# Altium PCB ГРЛМ.687253.024.PcbDoc (part 2 of 2) (continued)
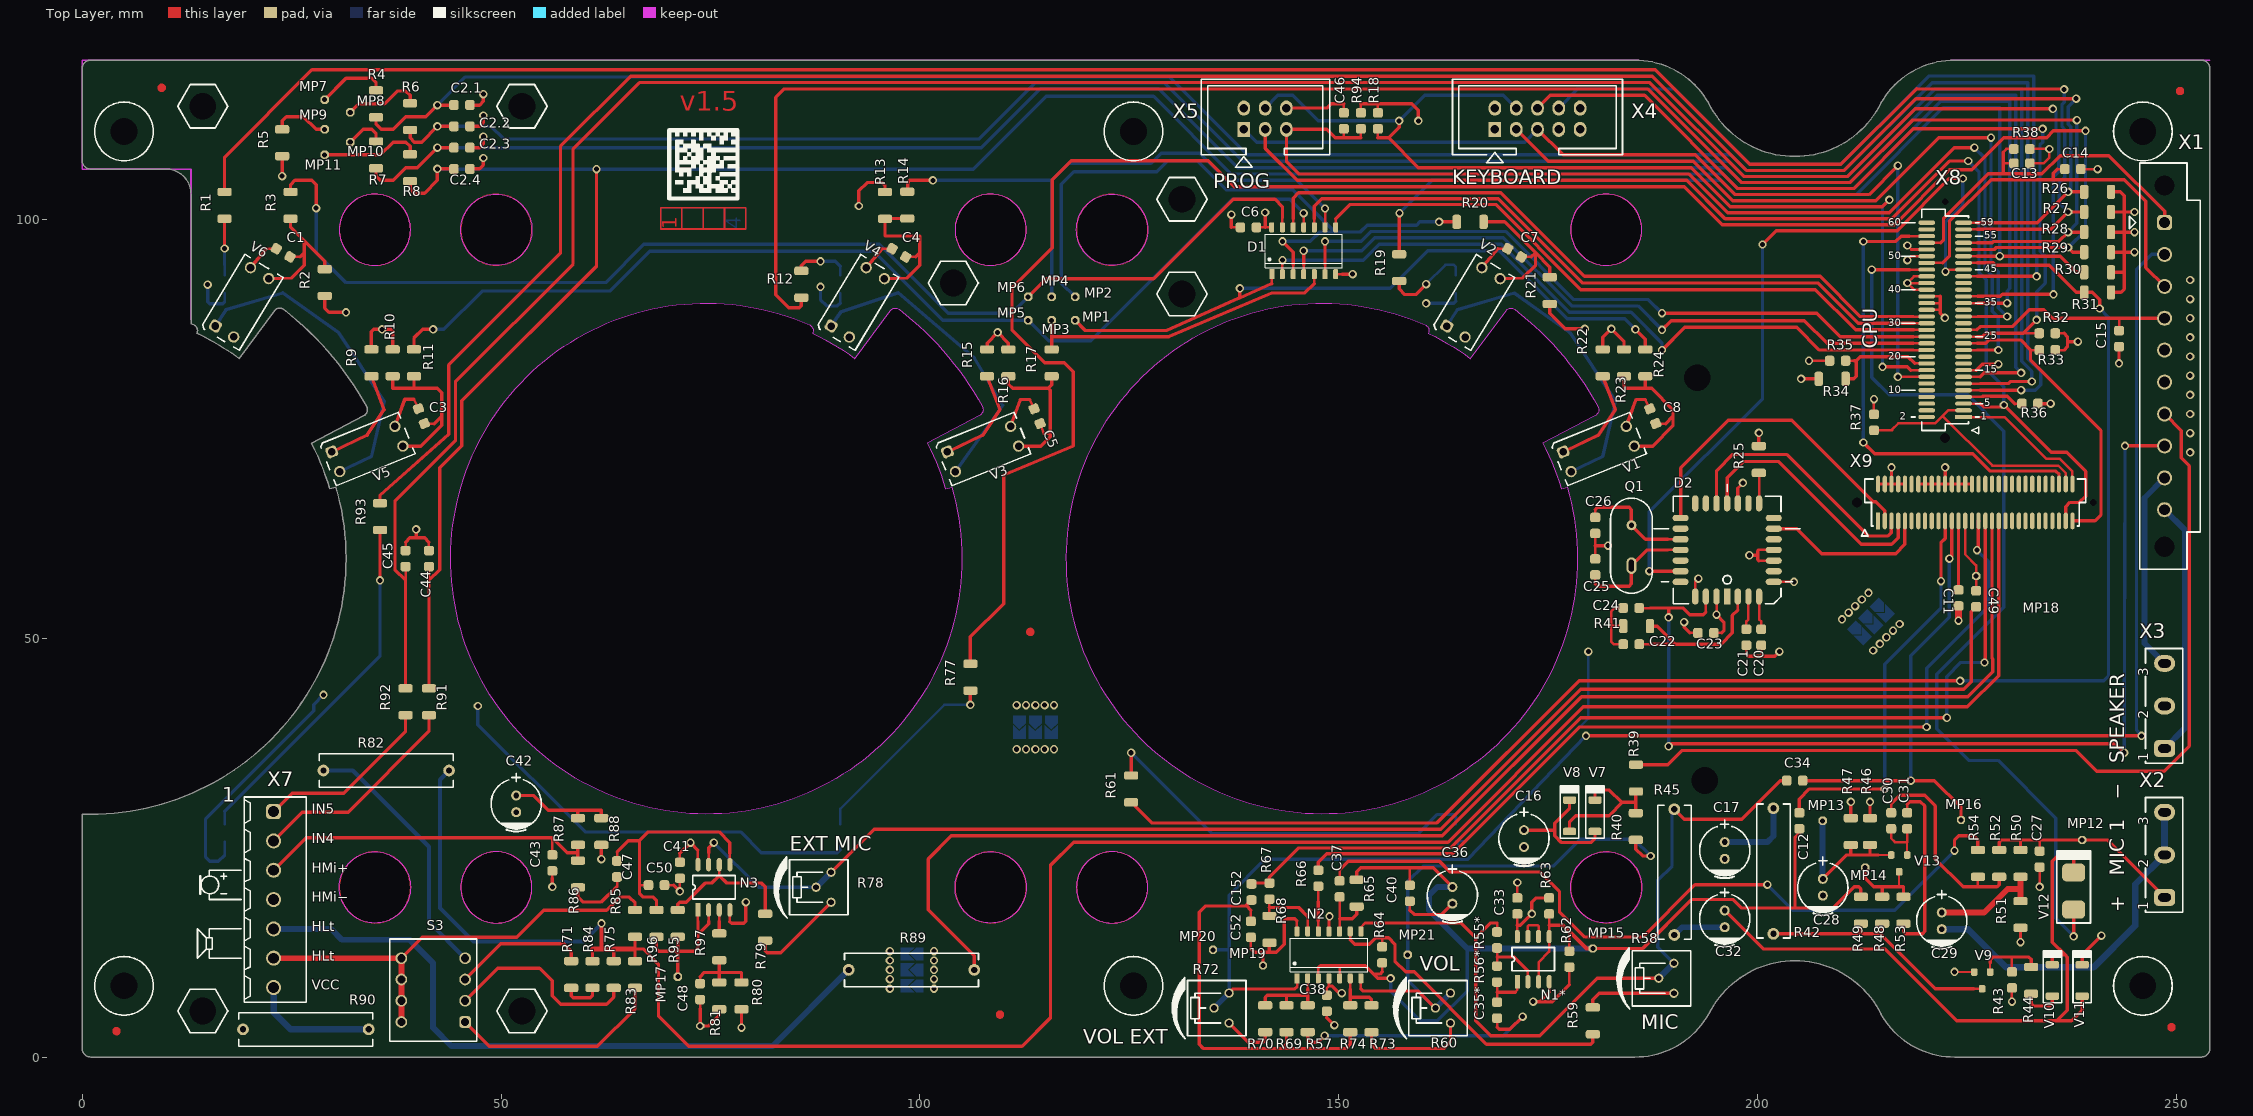
[diagram p0: Top Layer view]
## Nets (pads, with @x,y where several pads share a name; then routed paths per layer and width w, separated by ;. In a path a pad name is that pad's centre, name@x,y a point inside that pad or via, vN(x,y) a via of type N, cw(c..) or ccw(c..) an arc to the next point about the centre after c; other vN are vias at no path point) (continued)
NetMP20_1: MP20.1 N2.1 R72.2 R72.3 X1.2 | length 202.6
  Top Layer w0.3: 145.034,8.382 N2.1@145.034,9.392
  Top Layer w0.4: R72.3@136.92,7.634 R72.3@136.928,7.634 137.422,8.128 144.78,8.128 145.034,8.382 ; v1(179.52,38.341) v1(245.84,38.341)
  Bottom Layer w0.4: MP20.1@135,12.8 136.928,12.8 ; R72.3@136.928,7.634 136.928,12.8 ; v1(179.52,38.341) 165.4,23.6 141.202,23.6 136.928,19.326 136.928,12.8 ; v1(245.84,38.341) 245.24,39.04 245.24,87.655 245.24,94 247.055,95.815 X1.2@248.6,95.815
  Bottom Layer w0.7: R72.2@135.128,5.842 R72.3@136.92,7.634
NetMP21_1: MP21.1 N2.7 R40.1 R60.2 R60.3 | length 65.3
  Top Layer w0.3: 152.654,8.128 N2.7@152.654,9.392
  Top Layer w0.4: 152.654,8.128 152.908,7.874 159.512,7.874 R60.2@161.544,5.842 ; R40.1@185.48,25.92 185.48,24.8 186.28,24 v1(187.24,24)
  Bottom Layer w0.4: R60.2@161.552,5.842 R60.2@161.544,5.842 158.242,9.144 MP21.1@158.242,12.192 158.242,20.963 160.079,22.8 175.624,22.8 178.83,26.006 185.234,26.006 v1(187.24,24)
  Bottom Layer w0.7: R60.2@161.552,5.842 R60.3@163.344,7.634
NetN1*_2: N1*.2 R55*.2 R56*.1 | length 7.8
  Top Layer w0.3: R56*.1@168.91,10.861 168.91,11.938 R55*.2@168.91,13.015 ; N1*.2@172.593,8.984 172.593,10.287
  Top Layer w0.4: 168.91,11.938 170.942,11.938 172.593,10.287
NetN1*_6: N1*.6 N1*.7 | length 3.8
  Top Layer w0.3: N1*.7@172.593,14.384 172.593,15.621 172.72,15.748 173.736,15.748 173.863,15.621 N1*.6@173.863,14.384
NetN2_2: N2.2 R57.2 R69.2 R70.1 | length 10.5
  Top Layer w0.3: 146.304,8.128 N2.2@146.304,9.392
  Top Layer w0.4: R70.1@141.224,6.172 141.224,7.112 141.478,7.366 143.764,7.366 ; R69.2@143.764,6.172 143.764,7.366 ; R57.2@146.304,6.172 146.304,7.366 ; 146.304,8.128 146.304,7.366 ; 143.764,7.366 146.304,7.366
NetN2_6: N2.6 R73.1 R74.2 | length 6.6
  Top Layer w0.3: 151.384,8.128 N2.6@151.384,9.392
  Top Layer w0.4: R74.2@151.384,6.172 151.384,7.15 ; 151.384,8.128 151.384,7.15 ; R73.1@153.924,6.172 153.924,6.858 153.632,7.15 151.384,7.15
NetN2_9: N2.9 R59.1 R64.2 | length 39.1
  Top Layer w0.3: 151.384,13.97 N2.9@151.384,14.992 ; R64.2@155.194,13.147 155.194,14.224
  Top Layer w0.4: 151.384,13.97 151.892,13.462 153.67,13.462 154.432,14.224 155.194,14.224 155.956,14.224 156.718,13.462 156.718,11.43 157.988,10.16 159.004,10.16 167.64,1.524 180.086,1.524 180.34,1.778 R59.1@180.34,2.718
NetN2_12: N2.12 R66.2 | length 5.4
  Top Layer w0.3: N2.12@147.574,14.992 147.574,16.256 ; 147.574,18.542 R66.2@147.574,20.381
  Top Layer w0.4: 147.574,16.256 147.574,18.542
NetN2_13: N2.13 R67.2 R68.1 | length 8.8
  Top Layer w0.3: R68.1@141.732,16.84 141.732,17.849 R67.2@141.732,18.857 ; N2.13@146.304,14.992 146.304,16.764
  Top Layer w0.4: 141.732,17.849 145.22,17.849 146.304,16.764
NetN3_3: N3.3 R97.2 | length 2.8
  Top Layer w0.3: 76.055,16.202 N3.3@76.055,17.566
  Top Layer w0.4: R97.2@76.055,14.754 76.055,16.202
NetN3_6: N3.6 R79.1 R95.2 | length 17.6
  Top Layer w0.3: 76.055,21.663 N3.6@76.055,22.966
  Top Layer w0.4: R95.2@71.102,17.548 71.102,18.234 71.356,18.488 72.118,18.488 74.404,20.774 75.166,20.774 76.055,21.663 76.944,20.774 81.08,20.774 81.534,20.32 R79.1@81.534,17.094
NetR9_1: R9.1 V5.1 | length 12.6
  Top Layer w0.4: V5.1@29.799,72.243 34.02,74.237 36.052,77.285 R9.1@34.528,81.273
NetR15_1: R15.1 V3.1 | length 12.6
  Top Layer w0.4: V3.1@103.299,72.238 107.52,74.232 109.552,77.28 R15.1@108.028,81.268
NetR22_1: R22.1 V1.1 | length 12.6
  Top Layer w0.4: V1.1@176.8,72.238 181.02,74.232 183.052,77.28 R22.1@181.528,81.268
NetR36_2: R36.2 X8.7 | length 7.4
  Top Layer w0.3: X8.7@224.6,78.8 226.79,78.8 226.89,78.9 ; 230.722,78 R36.2@231.565,78
  Top Layer w0.4: 226.89,78.9 229.822,78.9 230.722,78
NetR39_1: R39.1 R40.2 V7.2 V8.1 | length 17.5
  Top Layer w0.4: V8.1@177.56,26.925 177.56,28.08 178.28,28.8 182.28,28.8 183.88,30.4 ; V7.2@180.6,30.675 180.6,31.6 180.87,31.871 182.33,31.871 183.8,30.4 183.88,30.4 ; R40.2@185.48,29.12 185.48,30.4 ; R39.1@185.5,31.7 185.48,31.68 185.48,30.4 ; 183.88,30.4 185.48,30.4
NetR39_2: R39.2 X1.7 | length 109.9
  Top Layer w0.4: R39.2@185.5,34.9 189.3,34.9 191,36.6 238,36.6 240.5,34.1 248.534,34.1 251.56,37.126 251.56,70.56 250.6,71.52 250.6,74.765 X1.7@248.6,76.765
NetR42_2: R42.2 R48.2 R49.1 V9.3 | length 30.1
  Top Layer w0.25: 225.806,8.144 V9.3@226.822,8.144
  Top Layer w0.4: R42.2@201.93,14.732 212.09,14.732 212.344,14.986 ; R49.1@212.344,15.926 212.344,14.986 ; R48.2@214.884,15.926 214.884,14.986 214.63,14.732 ; 225.806,8.144 221.218,8.144 214.63,14.732 ; 212.344,14.986 212.598,14.732 214.63,14.732
NetR43_1: R43.1 R44.2 V9.1 | length 9.3
  Top Layer w0.25: V9.1@227.772,10.144 227.772,11.269
  Top Layer w0.3: R43.1@230.378,10.16 230.378,11.938
  Top Layer w0.4: 227.772,11.269 227.772,11.618 228.092,11.938 230.378,11.938 232.41,11.938 232.664,11.684 R44.2@232.664,10.744
NetR44_1: R44.1 V10.1 | length 4.9
  Top Layer w0.4: R44.1@232.664,7.544 232.664,6.35 232.918,6.096 234.95,6.096 235.204,6.35 V10.1@235.204,7.269
NetR58_1: R58.1 R59.2 | length 10.9
  Top Layer w0.4: R59.2@180.34,5.918 180.34,6.858 181.088,7.606 R58.1@190.014,7.606
NetR60_1: R60.1 R73.2 | length 13.7
  Top Layer w0.4: R73.2@153.924,2.972 153.924,1.524 154.432,1.016 162.56,1.016 163.344,1.8 R60.1@163.344,4.05
NetR70_2: R70.2 R72.1 | length 6.3
  Top Layer w0.4: R72.1@136.928,4.05 139.2,1.778 140.97,1.778 141.224,2.032 R70.2@141.224,2.972
NetR71_1: R71.1 R84.2 | length 4.6
  Top Layer w0.4: R71.1@58.38,8.252 58.38,7.312 58.634,7.058 60.666,7.058 60.92,7.312 R84.2@60.92,8.252
NetR71_2: R71.2 S3.3 | length 16
  Top Layer w0.4: S3.3@45.72,9.256 49.984,13.52 57.506,13.52 58.38,12.646 R71.2@58.38,11.452
NetR75_2: R75.2 S3.2 | length 23.6
  Top Layer w0.4: S3.2@45.72,6.716 49.604,10.6 54.6,10.6 56.1,9.1 56.1,7.306 57.11,6.296 62.596,6.296 63.46,7.16 R75.2@63.46,8.252
NetR78_1: R78.1 R79.2 | length 11.7
  Top Layer w0.4: R79.2@81.534,13.894 81.534,12.7 81.788,12.446 83.384,12.446 R78.1@89.412,18.474
NetR82_2: R82.2 S3.4 | length 31.5
  Bottom Layer w0.5: R82.2@28.8,34.2 32.3,34.2 41.4,25.1 41.4,16.116 S3.4@45.72,11.796
NetR83_2: R83.2 S3.1 | length 25.8
  Top Layer w0.4: S3.1@45.72,4.176 48.596,1.3 61.512,1.3 66,5.788 R83.2@66,8.252
NetR85_2: R85.2 S3.5 S3.6 S3.7 S3.8 X7.6 | length 54.9
  Top Layer w0.4: S3.5@38.1,11.796 40.604,14.3 51.9,14.3 55.1,17.5 62.6,17.5 64.2,19.1 65.3,19.1 66,18.4 R85.2@66,17.548
  Top Layer w0.7: X7.6@22.86,11.796 S3.5@38.1,11.796 S3.6@38.1,9.256 S3.7@38.1,6.716 S3.8@38.1,4.176
NetR89_2: R89.2 X7.5 | length 82.7
  Bottom Layer w0.7: X7.5@22.86,15.296 29.704,15.296 31,14 39.1,14 41.9,11.2 41.9,3.5 44.1,1.3 82.4,1.3 R89.2@91.5,10.4
NetR90_1: R90.1 X7.7 | length 15.1
  Bottom Layer w0.8: X7.7@22.86,8.296 22.86,5.34 24.9,3.3 R90.1@34.2,3.3
NetR91_2: R91.2 X7.2 | length 25.9
  Top Layer w0.4: X7.2@22.86,25.796 26.274,29.21 31.75,29.21 41.402,38.862 R91.2@41.402,40.818
NetR92_2: R92.2 X7.1 | length 21.7
  Top Layer w0.4: X7.1@22.86,29.296 25.06,31.496 31.242,31.496 38.608,38.862 R92.2@38.608,40.818
NetV1_2: V1.2 V2.1 | length 38.4
  Bottom Layer w0.4: V2.1@162.909,87.261 164.151,89.196 170.961,91.214 177.603,86.47 183.052,78.296 181.528,71.692 V1.2@177.751,69.883
NetV3_2: V3.2 V4.1 | length 37.6
  Bottom Layer w0.4: V4.1@89.409,87.261 90.596,88.964 97.421,91.239 106.497,83.46 109.9,77.788 V3.2@104.251,69.883
NetV5_2: V5.2 V6.1 | length 38.4
  Bottom Layer w0.4: V6.1@15.909,87.266 17.151,89.201 23.961,91.219 30.602,86.475 36.052,78.301 34.528,71.697 V5.2@30.751,69.888
NetX1_9: X1.9 X3.3 | length 24.1
  Bottom Layer w0.7: X3.3@248.6,46.99 246.2,49.39 246.2,66.745 X1.9@248.6,69.145
NetX1_10: X1.10 X3.1 | length 30.5
  Bottom Layer w0.7: X3.1@248.6,36.83 251,39.23 251,62.935 X1.10@248.6,65.335
R\E\S\: C46.2 R94.2 X5.5 X8.21 | length 132.7
  Top Layer w0.3: 150.622,109.728 C46.2@150.622,110.805 ; 152.654,109.728 R94.2@152.654,110.805 ; X8.21@224.6,84.4 226.2,84.4
  Top Layer w0.4: 152.654,109.728 150.622,109.728 149.606,109.728 148.59,110.744 X5.5@143.764,110.744 143.764,106.934 145.288,105.41 191.83,105.41 196.44,100.8 215.72,100.8 223.48,108.56 v1(225.88,108.56) ; 226.2,84.4 v1(228.76,84.4)
  Bottom Layer w0.4: v1(225.88,108.56) 227.16,107.28 227.16,94.16 228.04,93.28 228.04,89.04 228.76,88.32 v1(228.76,84.4)
R\E\S\O\U\T\: X4.3 X8.31 | length 90.7
  Top Layer w0.3: X8.31@224.6,88.4 226.28,88.4
  Top Layer w0.4: X4.3@171.196,110.744 175.006,106.934 192.357,106.934 197.05,102.24 214.12,102.24 221.64,109.76 v1(227.88,109.76) ; 226.28,88.4 v1(229.8,88.4)
  Bottom Layer w0.4: v1(227.88,109.76) 227.88,94.64 228.76,93.76 228.76,89.44 v1(229.8,88.4)
RES_PAD: X4.8 X8.43 | length 98.5
  Top Layer w0.3: X8.43@224.6,93.2 226.2,93.2
  Top Layer w0.4: 226.2,93.2 v1(233.32,93.2)
  Bottom Layer w0.4: X4.8@176.276,113.284 178.562,115.57 190.07,115.57 199.08,106.56 209.96,106.56 220.52,117.12 233,117.12 233,95.92 233.32,95.6 v1(233.32,93.2)
RX: R18.2 X4.4 X5.4 X8.16 | length 127.9
  Top Layer w0.3: 154.686,109.728 R18.2@154.686,110.805 ; 218.28,82 X8.16@220.2,82
  Top Layer w0.4: 154.686,109.728 155.956,109.728 ; v1(157.226,111.76) 157.226,110.998 155.956,109.728 ; v1(214.92,82.4) 217.88,82.4 218.28,82 ; v1(215.731,102.332) 214.92,101.52 196.76,101.52 192.108,106.172 159.512,106.172 155.956,109.728
  Bottom Layer w0.4: X5.4@141.224,113.284 142.748,114.808 144.526,114.808 147.574,111.76 v1(157.226,111.76) 160.274,114.808 169.672,114.808 X4.4@171.196,113.284 ; v1(214.92,82.4) 214.92,101.52 v1(215.731,102.332)
SCK: X5.3 X8.5 X9.57 | length 149.1
  Top Layer w0.3: X8.5@224.6,78 226.6,78
  Top Layer w0.4: X5.3@141.224,110.744 141.224,108.458 145.034,104.648 191.552,104.648 196.12,100.08 216.04,100.08 222.92,106.96 v1(225.16,106.96) ; 226.6,78 227.001,77.6 229.16,77.6 v1(229.4,77.84) 235.048,72.193 236.907,72.193 239.2,69.9 239.2,66.96 238.44,66.2 237.3,66.2 236.8,65.7 X9.57@236.8,64
  Bottom Layer w0.4: v1(225.16,106.96) 226.44,105.68 226.44,93.68 227.32,92.8 227.32,82.08 229.4,80 v1(229.4,77.84)
SPKR+: R75.1 R82.1 R83.1 R84.1 R85.1 X9.37 | length 271.3
  Top Layer w0.4: R84.1@60.92,11.452 60.92,12.9 ; R75.1@63.46,11.452 63.46,12.9 ; R83.1@66,11.452 66,12.9 ; R85.1@66,14.348 66,12.9 ; X9.37@228.8,64 228.8,45.534 225.066,41.8 179.2,41.8 163.054,25.654 118.354,25.654 115.6,22.9 115.6,4.7 112.2,1.3 72.4,1.3 68.8,4.9 68.8,11.1 67,12.9 66,12.9
  Top Layer w0.5: 62,12.9 v1(62,15.948)
  Top Layer w0.6: 60.92,12.9 62,12.9 63.46,12.9 66,12.9
  Bottom Layer w0.5: R82.1@43.8,34.2 42.7,33.1 42.7,17.8 46.7,13.8 59.852,13.8 v1(62,15.948)
SPKR-: R89.1 X9.35 | length 169.9
  Top Layer w0.4: R89.1@106.5,10.4 106.5,12.1 101,17.6 101,23.638 103.762,26.4 162.39,26.4 178.99,43 225.09,43 228.1,46.01 228.1,47.514 228,47.614 X9.35@228,64
TX: X4.5 X5.1 X8.14 | length 112.6
  Top Layer w0.3: v1(216.76,81.2) X8.14@220.2,81.2
  Top Layer w0.4: X4.5@173.736,110.744 176.784,107.696 192.584,107.696 197.32,102.96 213.32,102.96 v1(216.76,106.4)
  Bottom Layer w0.4: X5.1@138.684,110.744 140.208,109.22 172.212,109.22 X4.5@173.736,110.744 ; v1(216.76,81.2) v1(216.76,106.4)
VCC: +5V.1 C6.2 C20.2 C21.2 C23.2 D1.14 D2.5 D2.28 H1.1 H2.1 H3.1 H4.1 H5.1 H6.1 R2.2 R9.2 R10.2 R13.2 R15.2 R16.2 R18.1 R21.2 R22.2 R23.2 R25.2 R32.1 R33.1 R35.1 R36.1 R37.1 R94.1 X1.5 X4.1 X4.2 X5.2 X8.15 X8.40 X8.42 X8.44 X8.52 X9.2 X9.4 X9.6 X9.8 X9.10 | length 224.8
  Top Layer w0.3: C6.2@140.181,99.044 141.23,99.044 141.999,99.044 D1.14@142.005,99.05 ; R94.1@152.654,112.715 152.654,113.792 ; R18.1@154.686,112.715 154.686,113.792 ; C23.2@194.795,50.628 195.725,50.628 ; v1(195.11,52.815) D2.28@195.11,54.974 ; 198.666,48.116 C21.2@198.666,49.165 ; 200.444,47.862 C20.2@200.444,49.165 ; D2.5@201.94,56.724 v1(204.353,56.724) ; v1(206.151,83.12) R35.1@208.605,83.12 ; R37.1@213.906,76.728 v1(213.906,78.54) ; v1(217.88,96.88) 218.36,96.4 X8.52@220.2,96.4 ; X8.40@220.2,91.6 218.68,91.6 v1(217.88,92.4) ; X8.42@220.2,92.4 v1(217.88,92.4) ; X8.44@220.2,93.2 218.68,93.2 v1(217.88,92.4) ; X8.15@224.6,82 226.12,82 ; R33.1@235.555,84.4 236.6,84.4 ; R32.1@235.555,86.4 236.6,86.4
  Top Layer w0.4: R2.2@28.956,90.856 28.956,89.408 29.464,88.9 v1(31.496,88.9) ; R9.2@34.528,84.473 34.528,86.598 34.798,86.868 v1(35.814,86.868) 36.83,86.868 37.068,86.63 R10.2@37.068,84.473 ; v1(92.71,101.6) 92.71,103.41 93.694,104.394 95.504,104.394 95.836,104.062 R13.2@95.836,103.264 ; R15.2@108.028,84.468 108.028,85.228 v1(109.3,86.5) 110.568,85.232 R16.2@110.568,84.468 ; 141.23,99.044 v1(141.23,100.822) ; 152.654,113.792 158.75,113.792 159.512,113.03 v1(159.512,111.76) ; R21.2@175.2,89.9 175.2,88.8 177.068,86.932 v1(179.4,86.932) ; R22.2@181.528,84.468 181.528,85.916 v1(182.544,86.932) 184.068,85.408 R23.2@184.068,84.468 ; v1(195.11,52.815) 196,51.925 196,50.903 195.725,50.628 ; 198.666,48.116 198.92,47.862 200.444,47.862 202.062,47.862 v1(202.6,48.4) ; R25.2@200.162,72.929 v1(200.162,74.504) ; X9.2@214.4,68.4 X9.4@215.2,68.4 X9.6@216,68.4 ; v1(216,70.4) X9.6@216,68.4 ; X9.10@217.6,68.4 X9.8@216.8,68.4 X9.6@216,68.4 ; 226.12,82 226.84,82.72 v1(228.76,82.72) ; R36.1@233.475,78 v1(235,78) ; 236.6,84.4 237,84.8 237,85.4 ; 236.6,86.4 237,86 237,85.4 ; v1(238.24,85.4) 237,85.4
  Bottom Layer w0.3: 17,24.112 H5.1@17,25.71 ; 17,90.152 H6.1@17,91.2 ; 90.5,24.714 H3.1@90.5,25.71 ; 90.5,89.992 H4.1@90.5,91.2 ; 164,90.232 H2.1@164,91.2 ; H1.1@164.287,25.423 H1.1@164,25.71 164.05,25.76 165.16,25.76 179.8,40.401 v1(179.8,48.4)
  Bottom Layer w0.4: v1(14.986,92.202) 14.986,90.17 15.24,89.916 16.764,89.916 17,90.152 ; 17,24.112 16.256,23.368 15.24,23.368 14.732,23.876 14.732,28.421 27.64,41.329 27.64,42.068 v1(28.805,43.233) ; v1(47.24,41.91) 47.24,39.666 60.036,26.87 78.595,26.87 81.081,24.384 90.17,24.384 90.5,24.714 ; v1(88.138,91.948) 88.138,90.424 88.9,89.662 90.17,89.662 90.5,89.992 ; v1(160.446,89.98) 163.748,89.98 164,90.232
  other v1: 111.56,42 112.676,42 113.792,42 114.908,42 116.024,42 251.648,83.623 251.648,85.909 251.648,88.195 251.648,90.481 251.648,92.767
VCC2: C41.2 N3.8 R80.2 R88.2 R90.2 VCC2.2 | length 9.8
  Top Layer w0.3: C41.2@71.356,23.253 71.356,24.33 ; N3.8@73.515,22.966 73.515,24.711
  Top Layer w0.4: v1(61.976,23.622) R88.2@61.976,25.324 ; 71.356,24.33 v1(72.626,25.6) 73.515,24.711 ; v1(78.704,3.5) R80.2@78.704,5.7
  other v1: 96.431,8.171 96.431,9.287 96.431,10.403 96.431,11.519 96.431,12.635
VER_HW: R34.2 R35.2 X8.18 | length 13.5
  Top Layer w0.3: R35.2@210.515,83.12 211.56,83.12 ; 218.76,82.8 X8.18@220.2,82.8
  Top Layer w0.4: R34.2@210.515,80.96 211.48,80.96 211.8,81.28 211.8,83.12 ; 211.56,83.12 211.8,83.12 ; 218.76,82.8 217.96,83.6 212.28,83.6 211.8,83.12
pads on no net: D2.1 D2.6 D2.9 D2.11 D2.13 D2.17 D2.18 D2.20 D2.23 D2.25 X1.0 X3.2 X4.7 X8.2 X8.4 X8.6 X8.8 X8.10 X8.12 X8.17 X8.19 X8.20 X8.29 X8.33 X8.39 X8.41 X8.55 X8.58 X8.60 X8.61 X8.62 X9.1 X9.11 X9.12 X9.13 X9.15 X9.17 X9.19 X9.29 X9.32 X9.34 X9.36 X9.38 X9.39 X9.40 X9.41 X9.42 X9.43 X9.44 X9.45 X9.46 X9.47 X9.48 X9.49 X9.50 X9.51 X9.52 X9.53 X9.54 X9.55 X9.61 X9.62
copper on no net: | length 108.5
  Top Layer w0.2: 71.592,98.846 71.592,101.386 ; 71.592,98.846 74.132,98.846 ; 71.592,98.846 69.052,98.846 69.052,101.386 71.592,101.386 ; 71.592,101.386 74.132,101.386 ; 74.132,98.846 74.132,101.386 ; 74.132,98.846 76.672,98.846 ; 74.132,101.386 76.672,101.386 ; 76.672,98.846 79.212,98.846 79.212,101.386 76.672,101.386 ; 76.672,98.846 76.672,101.386
  Top Layer w0.5: 4.348,3.087 ccw(c4.098,3.087) 4.348,3.087 ; 9.75,115.7 ccw(c9.5,115.7) 9.75,115.7 ; 109.822,5.064 ccw(c109.572,5.064) 109.822,5.064 ; 113.44,50.746 ccw(c113.19,50.746) 113.44,50.746 ; 249.678,3.556 ccw(c249.428,3.556) 249.678,3.556 ; 250.694,115.316 ccw(c250.444,115.316) 250.694,115.316
  Bottom Layer w0.2: 69.052,98.846 71.592,98.846 ; 69.052,98.846 69.052,101.386 ; 69.052,98.846 71.592,98.846 ; 69.052,98.846 69.052,101.386 ; 69.052,101.386 71.592,101.386 ; 69.052,101.386 71.592,101.386 ; 71.592,98.846 74.132,98.846 ; 71.592,98.846 71.592,101.386 ; 71.592,98.846 74.132,98.846 ; 71.592,98.846 71.592,101.386 ; 71.592,101.386 74.132,101.386 ; 71.592,101.386 74.132,101.386 ; 74.132,98.846 76.672,98.846 ; 74.132,98.846 74.132,101.386 ; 74.132,98.846 76.672,98.846 ; 74.132,98.846 74.132,101.386 ; 74.132,101.386 76.672,101.386 ; 74.132,101.386 76.672,101.386 ; 76.672,98.846 76.672,101.386 ; 76.672,98.846 79.212,98.846 ; 76.672,98.846 79.212,98.846 ; 76.672,98.846 76.672,101.386 ; 76.672,101.386 79.212,101.386 ; 76.672,101.386 79.212,101.386 ; 79.212,98.846 79.212,101.386 ; 79.212,98.846 79.212,101.386

## Polygon pours and split planes (outlines as drawn)
DGND on Bottom Layer "GND" (solid, pour order 22): 245.933,82 252.791,82 252.791,71.05 245.933,71.05
+5V on Bottom Layer "+5V" (solid, remove dead copper, pour order 8): 110.44,38.72 117.08,38.72 117.08,35.76 110.44,35.76
VCC on Bottom Layer "+5V" (solid, remove dead copper, pour order 10): 117.079,40 110.44,40 110.44,43.04 117.079,43.04 117.079,42.88
+5V on Bottom Layer "+5V" (solid, remove dead copper, pour order 4): 99.691,7.116 99.691,13.755 102.731,13.755 102.731,7.116 102.571,7.116
VCC2 on Bottom Layer "+5V" (solid, remove dead copper, pour order 6): 98.411,13.755 98.411,7.115 95.451,7.115 95.451,13.755
DGND on Bottom Layer "+5V" (solid, remove dead copper, pour order 14): 215.407,54.742 210.712,50.047 208.563,52.197 213.257,56.891 213.371,56.778
AGND on Bottom Layer "+5V" (solid, remove dead copper, pour order 12): 211.618,49.142 216.313,53.837 218.406,51.744 213.711,47.049
VCC on Bottom Layer "VCC" (solid, pour order 20): 245.933,93.91 252.791,93.91 252.791,82.96 245.933,82.96
VCC2 on VCC (split plane): 158 vertices, not listed, extent 0.51,0.51 98.559,38.868
+5V on VCC (split plane): 270 vertices, not listed, extent 99.563,0.508 253.49,66.705
VCC on VCC (split plane): 1139 vertices, not listed, extent 0.51,39.872 253.49,118.492
AGND on GND (split plane): 408 vertices, not listed, extent 0.51,0.508 253.49,66.698
DGND on GND (split plane): 1128 vertices, not listed, extent 0.51,39.872 253.49,118.492

## Keep-outs
Keep-Out Layer:
  lines w0.2: 12.997,88.057 12.994,105.994 0,106 0,119 185.813,119.003 ; 223.087,119.003 254,119

## Other copper
Top Layer:
  text "v1.5" at 71.358,112.165 h4
  text "1" at 71.592,98.846 h3 r90
Bottom Layer:
  text "4" at 79.212,98.846 h3 r90
GND (plane layer: these items are gaps in the copper):
  region: 79.212,98.846 79.212,101.386 74.132,101.386 74.132,98.846
  region: 71.592,98.846 71.592,101.386 69.056,101.386 69.056,98.846
  lines w1: 23.933,39.37 51.59,39.37 ; 97.418,39.37 125.082,39.37 ; 176.953,50 205.4,50 206.2,50 211.524,50 222.324,60.8 228.724,67.2 230.537,67.2 253.983,67.2
  text "2" at 74.132,98.846 h3 r90
  text "DGND" at 30.226,39.624 h5
  text "AGND" at 30.226,34.544 h5
VCC (plane layer: these items are gaps in the copper):
  region: 74.132,98.846 74.132,101.386 69.056,101.386 69.056,98.846
  region: 79.216,98.846 79.216,101.386 76.605,101.386 76.605,98.846
  lines w1: 23.933,39.37 51.59,39.37 ; 97.418,39.37 125.082,39.37 ; 99.061,0 99.061,39.37 ; 175.738,46.836 208.543,46.836 212.305,50.781 222.324,60.8 222.443,60.919 226.076,64.552 227.2,65.676 ; 245.4,67.2 231.275,67.2 230.537,67.2 228.937,67.2 228.724,67.2 227.2,65.676 ; 245.54,67.2 254,67.2 ; 227.2,65.676 227.2,65.676
  text "3" at 76.605,98.846 h3 r90
  text "VCC" at 108.9,44 h5
  text "+5V" at 99.314,32.512 h5
  text "VCC2" at 97.5,13.7 h5 r90
Multi-Layer:
  circle w0.01: c49.45,20.245 r4.25
  circle w0.01: c34.95,20.243 r4.25
  circle w0.01: c108.45,98.755 r4.25
  circle w0.01: c49.45,98.755 r4.25
  circle w0.01: c122.95,98.755 r4.25
  circle w0.01: c181.95,98.755 r4.25
  circle w0.01: c122.95,20.245 r4.25
  circle w0.01: c181.95,20.245 r4.25
  circle w0.01: c34.95,98.753 r4.25
  circle w0.01: c108.45,20.245 r4.25

## Silkscreen, mask and mechanical layers (free items; w line width, h text height)
Top Overlay:
  drawing of 1393 lines, arcs and shapes, not listed
  text "KEYBOARD" at 163.586,103.6 h3
  text "PROG" at 135.035,103.12 h3
  text "60" at 215.62,98.96 h1.5
  text "59" at 226.68,98.96 h1.5
  text "55" at 227.08,97.36 h1.5
  text "50" at 215.62,94.96 h1.5
  text "45" at 227.08,93.36 h1.5
  text "40" at 215.62,90.96 h1.5
  text "35" at 227.08,89.36 h1.5
  text "30" at 215.62,86.96 h1.5
  text "25" at 227.08,85.36 h1.5
  text "CPU" at 214.92,84.577 h3 r90
  text "20" at 215.62,82.96 h1.5
  text "15" at 227.08,81.36 h1.5
  text "10" at 215.62,78.96 h1.5
  text "5" at 227.08,77.36 h1.5
  text "2" at 217,75.76 h1.5
  text "1" at 226.68,75.76 h1.5
  text "SPEAKER" at 244.36,35.052 h3 r90
  text "1" at 16.728,29.879 h3
  text "IN5" at 27.41,28.596 h2
  text "IN4" at 27.41,25.096 h2
  text "EXT MIC" at 84.5,24 h3
  text "HMi+" at 27.41,21.596 h2
  text "HMi−" at 27.41,18.096 h2
  text "+   MIC 1   −" at 244.36,17.272 h3 r90
  text "HLt" at 27.41,14.596 h2
  text "HLt" at 27.41,11.096 h2
  text "VOL" at 159.7,9.7 h3
  text "VCC" at 27.41,7.596 h2
  text "MIC" at 186.1,2.7 h3
  text "VOL EXT" at 119.5,1 h3
Top Solder:
  circle w1.5: c4.098,3.087 r0.75
  circle w1.5: c9.5,115.7 r0.75
  circle w1.5: c250.444,115.316 r0.75
  circle w1.5: c249.428,3.556 r0.75
  circle w1.5: c113.19,50.746 r0.75
  circle w1.5: c109.572,5.064 r0.75
  region: 71.49,98.95 71.49,101.28 69.16,101.28 69.16,98.95
  region: 74.03,98.95 74.03,101.28 71.69,101.28 71.69,98.95
  region: 76.57,98.95 76.57,101.28 74.23,101.28 74.23,98.95
  region: 79.11,98.95 79.11,101.28 76.77,101.28 76.77,98.95
  text "*" at 87.884,109.22 h10
Bottom Solder:
  region: 71.49,98.95 71.49,101.28 69.16,101.28 69.16,98.95
  region: 74.03,98.95 74.03,101.28 71.69,101.28 71.69,98.95
  region: 76.57,98.95 76.57,101.28 74.23,101.28 74.23,98.95
  region: 79.11,98.95 79.11,101.28 76.77,101.28 76.77,98.95
  region: 164.9,28.45 166.9,28.45 165.9,29.95
  region: 164.9,29.748 164.9,29.998 166.9,29.998 166.9,29.748
  region: 91.8,27.448 91.8,27.698 93.8,27.698 93.8,27.448
  region: 91.8,26.15 93.8,26.15 92.8,27.65
  region: 13.9,27.148 13.9,27.398 11.9,27.398 11.9,27.148
  region: 13.9,25.85 11.9,25.85 12.9,27.35
  region: 21.9,97.748 21.9,97.998 19.9,97.998 19.9,97.748
  region: 21.9,96.45 19.9,96.45 20.9,97.95
  region: 87.139,92.948 87.139,93.198 85.139,93.198 85.139,92.948
  region: 87.139,91.65 85.139,91.65 86.139,93.15
  region: 159.5,90.748 159.5,90.998 157.5,90.998 157.5,90.748
  region: 159.5,89.45 157.5,89.45 158.5,90.95
  lines w0.3: 10.2,26.6 9.75,27.35 ; 10.2,27.85 9.75,28.6 ; 10.65,27.15 9.75,27.35 ; 10.65,28.4 9.75,28.6 ; 11.5,26.1 9.75,27.35 ; 11.5,27.35 9.75,28.6 ; 12.9,25.3 12.9,28.1 ; 18.2,97.2 17.75,97.95 ; 18.2,98.45 17.75,99.2 ; 18.65,97.75 17.75,97.95 ; 18.65,99 17.75,99.2 ; 19.5,96.7 17.75,97.95 ; 19.5,97.95 17.75,99.2 ; 20.9,95.9 20.9,98.7 ; 83.439,92.4 82.989,93.15 ; 83.439,93.65 82.989,94.4 ; 83.889,92.95 82.989,93.15 ; 83.889,94.2 82.989,94.4 ; 84.739,91.9 82.989,93.15 ; 84.739,93.15 82.989,94.4 ; 86.139,91.1 86.139,93.9 ; 92.8,25.6 92.8,28.4 ; 94.2,26.4 95.95,27.65 ; 94.2,27.65 95.95,28.9 ; 95.05,27.45 95.95,27.65 ; 95.05,28.7 95.95,28.9 ; 95.5,26.9 95.95,27.65 ; 95.5,28.15 95.95,28.9 ; 155.8,90.2 155.35,90.95 ; 155.8,91.45 155.35,92.2 ; 156.25,90.75 155.35,90.95 ; 156.25,92 155.35,92.2 ; 157.1,89.7 155.35,90.95 ; 157.1,90.95 155.35,92.2 ; 158.5,88.9 158.5,91.7 ; 165.9,27.9 165.9,30.7 ; 167.3,28.7 169.05,29.95 ; 167.3,29.95 169.05,31.2 ; 168.15,29.75 169.05,29.95 ; 168.15,31 169.05,31.2 ; 168.6,29.2 169.05,29.95 ; 168.6,30.45 169.05,31.2
  text "СДЕЛАНО В РОССИИ" at 88.798,111.735 h3
  text "*" at 105,110.8 h10
  text "1" at 252.373,98.579 h3
  text "10" at 252.76,64.379 h3
  text "Закоротить / при монтаже" at 218.4,57.3 h2.5
  text "Закоротить / при монтаже" at 111.892,32.985 h3
  text "1" at 26.572,28.179 h3
  text "5" at 41.173,10.679 h3
  text "4" at 44.472,10.679 h3
  text "7" at 26.572,7.175 h3
  text "8" at 41.173,3.179 h3
  text "1" at 44.472,3.179 h3
  text "Закоротить / при монтаже" at 106.892,2.285 h3
Border outline:
  circle w0.05: c34.95,98.753 r4.25
  circle w0.05: c49.45,98.755 r4.25
  circle w0.05: c108.45,98.755 r4.25
  circle w0.05: c122.95,98.755 r4.25
  circle w0.05: c181.95,98.755 r4.25
  circle w0.05: c181.95,20.245 r4.25
  circle w0.05: c122.95,20.245 r4.25
  circle w0.05: c49.45,20.245 r4.25
  circle w0.05: c34.95,20.243 r4.25
  circle w0.05: c108.45,20.245 r4.25
  lines w0.2: 13.34,87.392 13,87.547 13,103 ccw(c10,103) 10,106 1,106 cw(c1,107) 0,107 0,118 cw(c1,118) 1,119 185.367,119 cw(c185.43,109) 194.169,113.862 ccw(c204.45,119) 214.731,113.862 cw(c223.47,109) 223.533,119 253,119 cw(c253,118) 254,118 254,1 cw(c253,1) 253,0 ; 13.34,87.392 cw(c13.027,86.717) 13.702,86.404 cw(c1,59.5) 18.738,83.386 22.99,89.104 cw(c23.584,88.674) 24.015,89.268 cw(c1,59.5) 33.955,77.659 cw(c33.227,77.28) 33.606,76.551 27.362,73.287 cw(c1,59.5) 29.558,67.836 30.282,68.034 ; 30.288,68.036 cw(c1,59.5) 0,29.01 0,1 ccw(c1,1) 1,0 185.367,0 ccw(c185.43,10) 194.169,5.138 ; 100.862,73.287 107.106,76.551 ccw(c106.727,77.28) 107.455,77.659 ccw(c74.5,59.5) 97.515,89.268 ccw(c97.084,88.674) 96.49,89.104 92.238,83.386 ccw(c74.5,59.5) 87.202,86.404 ccw(c86.527,86.717) 86.84,87.392 ccw(c74.5,59.5) 103.782,68.034 103.058,67.836 ccw(c74.5,59.5) 100.867,73.277 ; 174.362,73.287 180.606,76.551 ccw(c180.227,77.28) 180.955,77.659 ccw(c148,59.5) 171.015,89.268 ccw(c170.584,88.674) 169.99,89.104 165.738,83.386 ccw(c148,59.5) 160.702,86.404 ccw(c160.027,86.717) 160.34,87.392 ccw(c148,59.5) 177.282,68.034 176.558,67.836 ccw(c148,59.5) 174.367,73.277 ; 194.189,5.138 cw(c204.47,0) 214.751,5.138 ; 214.731,5.138 ccw(c223.47,10) 223.533,0 253.007,0
Mechanical 2:
  lines w0.05: 0,2.32 0,0 2,0
Mechanical 7:
  lines w0.254: 191.3,30.6 191.3,70.6 241.3,70.6 241.3,30.6 191.3,30.6
Drill Drawing:
  lines w0.2: 13,87.547 13,103

## Text inside footprints (layer, text, board x,y; h text height)
X2: Top Overlay "1" at 247.076,17.526 h2 r90; Top Overlay "3" at 247.076,27.686 h2 r90; Top Overlay "2" at 247.076,22.606 h2 r90
X3: Top Overlay "2" at 247.076,40.386 h2 r90; Top Overlay "3" at 247.076,45.466 h2 r90; Top Overlay "1" at 247.076,35.306 h2 r90